# Altium PCB dac_brd_raton_v0.PcbDoc (part 2 of 3)
Units mm, origin at the board's own origin, x right, y up, seen from the top; angles counter-clockwise.
Board outline 145.29 x 217.93 mm, 2 copper layers (Top Layer, Bottom Layer); 316 components, 149 nets, 804 pads, 301 vias.
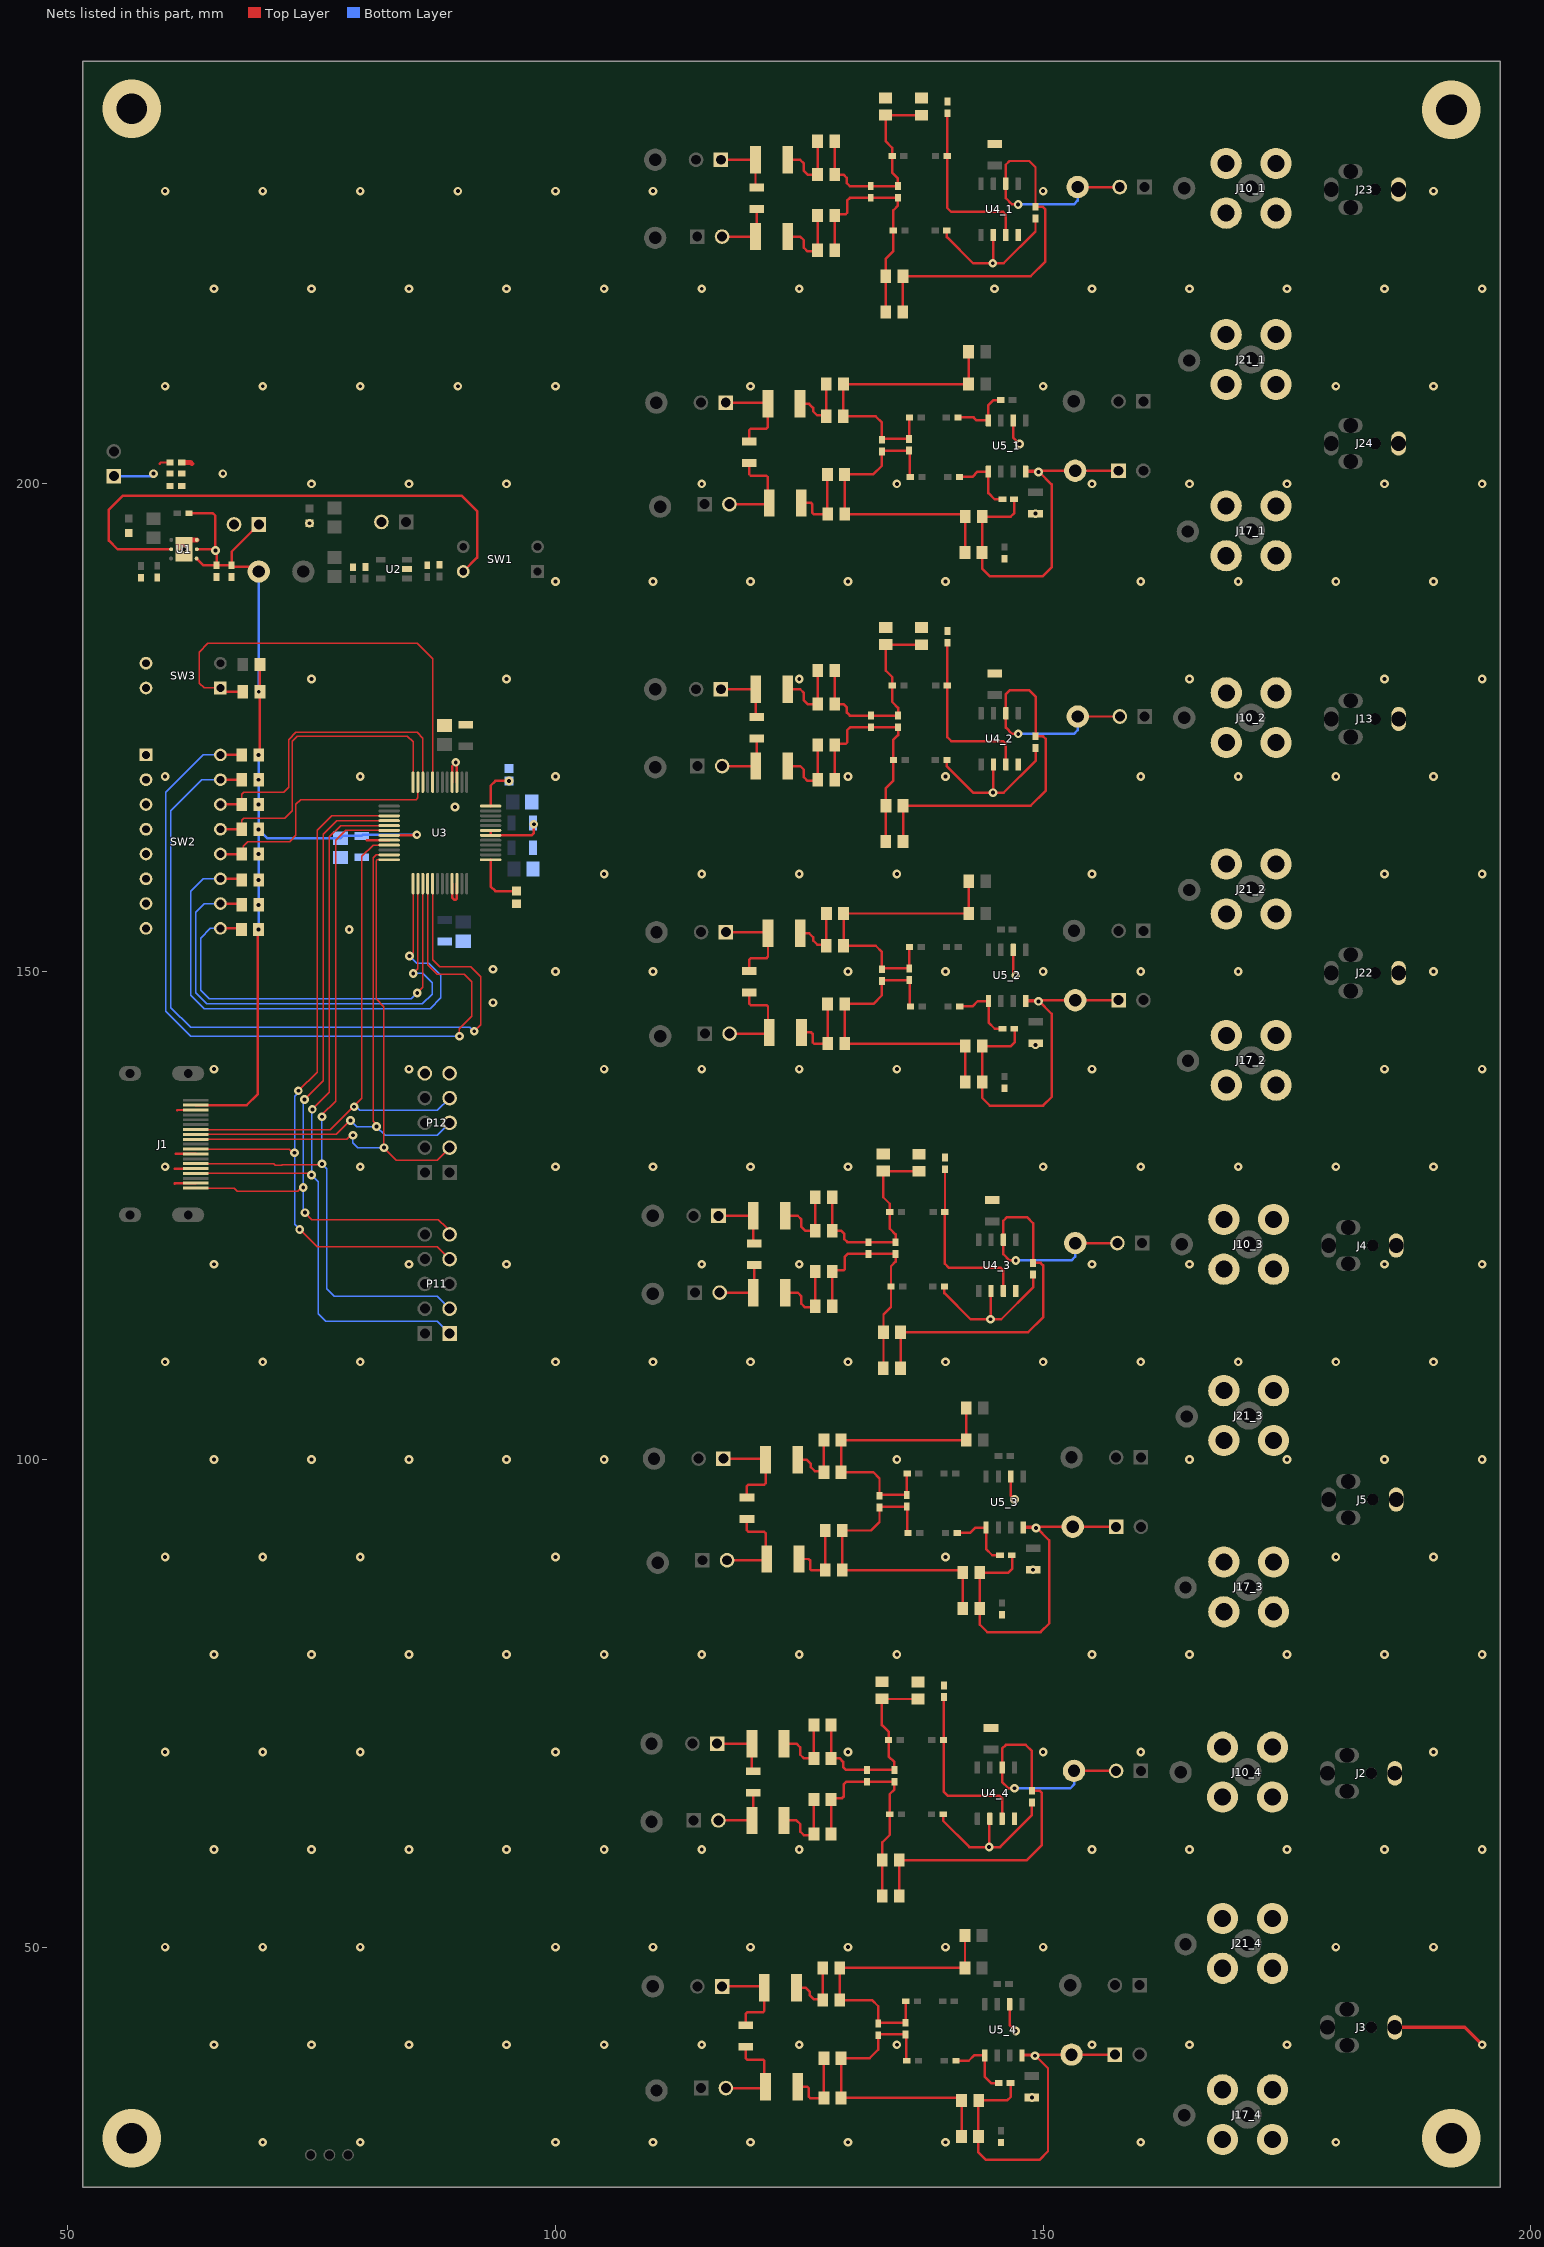
[diagram p2: the nets of this part, all layers, seen from the top]

## Part data
C1 C2 C3: library part "CAP 10uF CER 0402 6.3V X5R 20%-2", "CAP-10uF-CER-0402-6.3V-X5R-20%", Case/Package=0402, Manufacturer=Generic, Supplier Part Number 1=80-C0402C106M9P, Bin=F1-C2-10, Design Item ID="CAP 10uF CER 0402 6.3V X5R 20%", Source="Capacitor Library.SchLib", Supplier 1=Mouser, Type=SMD
C4 C6 C8: library part "CAP 0.1uF CER 0402 16V X5R 10%-2", "CAP-0.1uF-CER-0402-16V-X5R-10%", Case/Package=0402, Manufacturer=Generic, Supplier Part Number 1=810-CGA2B2X5R1C104KA, Bin=CAP1-M1, Design Item ID="CAP 0.1uF CER 0402 16V X5R 10%", Source="Capacitor Library.SchLib", Status=Active, Supplier 1=Mouser, Type=SMD
C5 C7: library part "CAP 2.2uF CER 0402 25V X5R 10%-2", "CAP-2.2uF-CER-0402-25V-X5R-10%", Case/Package=0402, Manufacturer=Generic, Supplier Part Number 1=810-C1005X5R1E225K, Bin=F1-C1-9, Design Item ID="CAP 2.2uF CER 0402 25V X5R 10%", Source="Capacitor Library.SchLib", Status=Active, Supplier 1=Mouser, Type=SMD
C9 C10 C15 C18 C19: library part "CAP 10nF CER 0805 50V X7R 10%-2", "CAP-10nF-CER-0805-50V-X7R-10%", Case/Package=0805, Manufacturer=Generic, Supplier Part Number 1=81-GRM40X103K50D, Bin=F1-C8-4, Design Item ID="CAP 10nF CER 0805 50V X7R 10%", Source="Capacitor Library.SchLib", Supplier 1=Mouser, Type=SMD
C11 C12 C16 C17 C20: library part "CAP 1uF CER 0805 50V X7R 10%-2", "CAP-1uF-CER-0805-50V-X7R-10%", Case/Package=0805, Manufacturer=Generic, Supplier Part Number 1=963-UMK212B7105KG-T, Bin=F1-C1-05, Design Item ID="CAP 1uF CER 0805 50V X7R 10%", Source="Capacitor Library.SchLib", Status=Active, Supplier 1=Mouser, Type=SMD
C13 C14: library part "CAP 100nF CER 0603 50V X7R 5%-2", "CAP-100nF-CER-0603-50V-X7R-5%", Case/Package=0603, Manufacturer=Generic, Supplier Part Number 1=581-06035C104JAT2A, Bin=F1-CM2-1, Design Item ID="CAP 100nF CER 0603 50V X7R 5%", Source="Capacitor Library.SchLib", Status=Active, Supplier 1=Mouser, Type=SMD
C21_1 C21_2 C21_3 C21_4 C25_1 C25_2 C25_3 C25_4 C26_1 C26_2 C26_3 C26_4 C28_1 C28_2 C28_3 C28_4 C29_1 C29_2 C29_3 C29_4 C33_1 C33_2 C33_3 C33_4 C34_1 C34_2 C34_3 C34_4 C36_1 C36_2 C36_3 C36_4: library part "CAP 1nF CER 0402 50V X5R 10%-2", "CAP-1nF-CER-0402-50V-X5R-10%", Case/Package=0402, Manufacturer=Generic, Supplier Part Number 1=81-GRM155R61H102KA1D, Bin=N, Design Item ID="CAP 1nF CER 0402 50V X5R 10%", Source="Capacitor Library.SchLib", Status=Active, Supplier 1=Mouser, Type=SMD
C22_1 C22_2 C22_3 C22_4 C27_1 C27_2 C27_3 C27_4 C30_1 C30_2 C30_3 C30_4 C35_1 C35_2 C35_3 C35_4: library part "CAP 100uF CER 1210 16V X5R 20%-2", "CAP-100uF-CER-1210-16V-X5R-20%", Case/Package=1210, Manufacturer=Generic, Supplier Part Number 1=587-3152-6-ND, Bin="F1-C5-1 / F1-C2-8", Design Item ID="CAP 100uF CER 1210 16V X5R 20%", Source="Capacitor Library.SchLib", Status=Active, Supplier 1=Digi-Key, Type=SMD
C23_1 C23_2 C23_3 C23_4 C31_1 C31_2 C31_3 C31_4: library part "CAP 0.1uF CER 0805 50V  X7R 5%-2", "CAP-0.1uF-CER-0805-50V- X7R-5%", Case/Package=0805, Manufacturer=Generic, Supplier Part Number 1=80-C0805C104J3R, Bin=F1-C6-4, Datasheet=http://www.kemet.com/Lists/ProductCatalog/Attachments/53/KEM_C1002_X7R_SMD.pdf, Design Item ID="CAP 0.1uF CER 0805 50V  X7R 5%", Source="Capacitor Library.SchLib", Status=Active, Supplier 1=Mouser, Type=SMD
C24_1 C24_2 C24_3 C24_4 C32_1 C32_2 C32_3 C32_4: library part "CAP 22pF CER 0805 50V C0G 2%-2", Case/Package=0805, Manufacturer=Generic, Supplier Part Number 1=77-VJ0805A220GXACBC, Design Item ID="CAP 22pF CER 0805 50V C0G 2%", Source="Capacitor Library.SchLib", Supplier 1=Mouser, Type=SMD
J1: library part 2086581051-2, "CONN FEM SMD 19 90Deg HDMI", Case/Package="4 PIN", Manufacturer=Molex, Supplier Part Number 1=Mouser, Design Item ID=2086581051, Source="Connector Library.SchLib", Status=Active, Supplier 1=Mouser, Type=HYBRID
J2 J3 J4 J5 J13 J22 J23 J24: library part SJ1-2503A-1, "CONN JACK STEREO 2.5MM R/A", Color=Black, Current Rating=1A, Body Material=Brass, Connector Type=Jack, Contact Plating=Tin, Diameter=2.5mm, Gender=Female, Lead Free="Lead Free", Mount="Through Hole", Number of Conductors=3, Number of Ports=1, Orientation=Horizontal, Packaging=Bulk, Shielding=Unshielded, Termination=Solder
J6 J7 J8_1 J8_2 J8_3 J8_4 J9_1 J9_2 J9_3 J9_4 J11_1 J11_2 J11_3 J11_4 J12_1 J12_2 J12_3 J12_4 J14_1 J14_2 J14_3 J14_4 J15_1 J15_2 J15_3 J15_4 J16_1 J16_2 J16_3 J16_4 J18_1 J18_2 J18_3 J18_4 J19_1 J19_2 J19_3 J19_4 J20_1 J20_2 J20_3 J20_4: library part CMP-002-00000-2, "PCB-Probe-Ring", Color=Black
J10_1 J10_2 J10_3 J10_4 J17_1 J17_2 J17_3 J17_4 J21_1 J21_2 J21_3 J21_4: library part CMP-002-00001-2, Case/Package=SMA, Manufacturer=LPRS, Max Frequency=6GHz, Connector Type=SMA,Coaxial, Contact Material=Gold, Contact Plating=Gold, Impedance=50R, REACH SVHC="No SVHC", Supplier=Mouser, Supplier No=471-SMACONNECTOR
J25 J26 J27: library part "1PIN Debug-2", "CONN MAL TH 1 0Deg HEADER", Case/Package="1 PIN", Design Item ID="1PIN Debug", Source="Connector Library.SchLib", Status=NC, Type=N/A
LED1 LED2: library part "LED 0603 Green 20mA 1.8V-1", "LED-0603-Green-20mA-1.8V-STOCK", Case/Package=0603, Manufacturer=Generic, Supplier Part Number 1=645-598-8060-107F, Bin=F2-DM1-1, Design Item ID="LED 0603 Green 20mA 1.8V", Source="Diode Library.SchLib", Status=Active, Supplier 1=Mouser, Type=SMD
P1 P2 P3 P4_1 P4_2 P4_3 P4_4 P5_1 P5_2 P5_3 P5_4 P6_1 P6_2 P6_3 P6_4 P7_1 P7_2 P7_3 P7_4 P8_1 P8_2 P8_3 P8_4 P9_1 P9_2 P9_3 P9_4 P10_1 P10_2 P10_3 P10_4: library part "GENERIC 2PIN HEADER MALE-2", "CONN MAL TH 2 0Deg HEADER", Case/Package="n/a PIN", Manufacturer=Generic, Bin=B3-J5, Design Item ID="GENERIC 2PIN HEADER MALE", Source="Connector Library.SchLib", Status=Active, Type=TH
P11 P12: library part "GENERIC 5x2 PINS HEADER MALE-2", "CONN MAL TH 5x2 0Deg HEADER", Case/Package="2 PIN", Manufacturer=Generic, Bin=B3-J5, Design Item ID="GENERIC 5x2 PINS HEADER MALE", Source="Connector Library.SchLib", Status=Active, Type=TH
R1: library part "RES 10k 0402 63mW 5%-1", "RES-10k-0402-63mW-5%", Case/Package=0402, Manufacturer=Generic, Bin=F1-R7-9, Design Item ID="RES 10k 0402 63mW 5%", MAPPING=1(2,1,11.5k), Source="Resistor Library.SchLib", Status=Active, Type=SMD
R2 R3 R4: library part "RES 100 0805 125mW 1%-1", "RES-100-0805-125mW-1%", Case/Package=0805, Manufacturer=Generic, Bin=F1-R11-6, Design Item ID="RES 100 0805 125mW 1%", MAPPING=1(2,1,10k), Source="Resistor Library.SchLib", Status=Active, Type=SMD
R5 R6 R7 R8 R9 R10 R11 R12 R13 R14 R15_1 R15_2 R15_3 R15_4 R16_1 R16_2 R16_3 R16_4 R17_1 R17_2 R17_3 R17_4 R20_1 R20_2 R20_3 R20_4 R21_1 R21_2 R21_3 R21_4 R24_1 R24_2 R24_3 R24_4 R25_1 R25_2 R25_3 R25_4 R26_1 R26_2 R26_3 R26_4 R27_1 R27_2 R27_3 R27_4 R28_1 R28_2 R28_3 R28_4 R29_1 R29_2 R29_3 R29_4 R32_1 R32_2 R32_3 R32_4 R34_1 R34_2 R34_3 R34_4 R37_1 R37_2 R37_3 R37_4 R38_1 R38_2 R38_3 R38_4 R39_1 R39_2 R39_3 R39_4: library part "RES 10k 0805 125mW 1%-1", "RES-10k-0805-125mW-1%", Case/Package=0805, Manufacturer=Generic, Bin=F1-R12-10, Design Item ID="RES 10k 0805 125mW 1%", MAPPING=1(2,1,10k), Source="Resistor Library.SchLib", Status=Active, Type=SMD
R18_1 R18_2 R18_3 R18_4 R19_1 R19_2 R19_3 R19_4 R22_1 R22_2 R22_3 R22_4 R23_1 R23_2 R23_3 R23_4 R30_1 R30_2 R30_3 R30_4 R31_1 R31_2 R31_3 R31_4 R35_1 R35_2 R35_3 R35_4 R36_1 R36_2 R36_3 R36_4: library part "RES 1.5k 0402 63mW 5%-1", "RES-1.5k-0402-63mW-5%", Case/Package=0402, Manufacturer=Generic, Bin=F1-RM1-1, Design Item ID="RES 1.5k 0402 63mW 5%", MAPPING=1(2,1,11.5k), Source="Resistor Library.SchLib", Status=Active, Type=SMD
R33_1 R33_2 R33_3 R33_4 R40 R41 R42: library part "RES 0 0402 63mW-1", "RES-0-0402-63mW-5%", Case/Package=0402, Manufacturer=Generic, Bin=F1-RM1-5, Design Item ID="RES 0 0402 63mW", MAPPING=1(2,1,11.5k), Source="Resistor Library.SchLib", Status=Active, Type=SMD
SW1 SW3: library part CMP-01293-3, "SWITCH DIP SPST 2 100mA 50V", Current Rating=100mA, Max Operating Temperature=85°C, Min Operating Temperature=-40°C, Package Quantity=85, Voltage Rating (DC)=20V, Actuator Type="Slide (Standard)", Contact Material=Copper, Contact Plating=Gold,Tin, Electrical Life=1000Cycles, Lead Free="Lead Free", Length=0.258inch, Max Current Rating=100mA, Mount="Through Hole", Number of Positions=2, Orientation=Straight, Packaging=Rail/Tube, Pitch=0.1inch, Terminal Pitch=2.54mm, Termination="PC Pin", Throw Configuration=SPST, Washable=No
SW2: library part 210-8MS-2, "SWITCH DIP SMD SPST 8 100mA 50V", Case/Package="16 PDIP", Manufacturer="C&K Components", Supplier Part Number 1=774-2108MS, Design Item ID=210-8MS, Source="Switches Library.SchLib", Status=Active, Supplier 1=Mouser, Type=TH
U1: library part CMP-01296-3, "STMICROELECTRONICS - LD39200PU33R - LDO, FIXED, 3.3V, 2A, -40 TO 125DEG C", Case/Package="6-pin DFN", Manufacturer=STMicroelectronics, Supplier Part Number1=NR, Bin=NR, Status=NR, Supplier1=NR, Type=SMD
U2: library part CMP-01298-1, "MICROCHIP - MIC5225-5.0YM5-TR - Fixed LDO Voltage Regulator, 2.3V to 16V, 310mV Dropout, 5Vout, 150mAout, SOT-23-5", Case/Package=SOT-23-5, Dropout Voltage=310mV, Max Input Voltage=16V, Max Operating Temperature=125°C, Min Input Voltage=2.3V, Min Operating Temperature=-40°C, Nominal Output Voltage=5V, Output Current=150mA, Lead Free="Lead Free", Mount="Surface Mount", Number of Pins=5, Number of Regulators=1, Output Type=Fixed, Output Voltage=5V, Packaging="Cut Tape", REACH SVHC="No SVHC"
U3: library part CMP-019-00003-1, "Converters - Digital to Analog (DAC) High-End 24-Bit 192kHz, 4-Ch D-S DAC", Case/Package=TQFP, Max Operating Temperature=70°C, Max Power Dissipation=286mW, Max Supply Voltage=5.25V, Min Operating Temperature=-10°C, Min Supply Voltage=4.75V, Nominal Supply Current=32mA, Operating Supply Voltage=5V, Package Quantity=2000, Power Consumption=200mW, Contact Plating=Gold, Conversion Rate=216KS/s, Interface=Serial,SPI, Lead Free="Lead Free", Mount="Surface Mount", Number of Analog Inputs=0, Number of Analog Outputs=4, Number of Bits=24, Number of Channels=4, Number of Converters=4, Number of DAC Channels=4, Number of Pins=48, Output Type=Voltage, Packaging="Tape and Reel", Polarity=Bipolar, Radiation Hardening=No, REACH SVHC="No SVHC", Resolution=24b, Sampling Rate=216000S/s, Signal to Noise Ratio (SNR)=118dB, Supply Type=Analog,Digital, Weight=0.004938oz
U4_1 U4_2 U4_3 U4_4: library part CMP-019-00001-1, "IC OPAMP GP 8MHZ 8SOIC", Case/Package=D, Input Bias Current=10nA, Input Offset Voltage (Vos)=200uV, Max Dual Supply Voltage=18V, Max Operating Temperature=85°C, Min Dual Supply Voltage=2.5V, Min Operating Temperature=-40°C, Nominal Supply Current=3.8mA, Operating Supply Current=3.7mA, Output Current=45mA, Package Quantity=2500, Power Supply Rejection Ratio (PSRR)=126.02dB, Voltage Gain=160dB, Bandwidth=8MHz, Common Mode Rejection Ratio=120dB, Contact Plating=Gold, Gain Bandwidth Product=8MHz, Lead Free="Lead Free", Max I/O Voltage=200uV, Max Supply Voltage=18V, Nominal Gain Bandwidth Product=8MHz, Number of Channels=1, Number of Circuits=1, Number of Elements=1, Number of Pins=8, Output Current per Channel=45mA, Packaging="Tape and Reel", Radiation Hardening=No, Slew Rate=2.3V/µs, Unity Gain Bandwidth Product=8MHz
U5_1 U5_2 U5_3 U5_4: library part CMP-019-00002-1, "IC OPAMP AUDIO 180MHZ 8SOIC", Case/Package=D, Dual Supply Voltage=15V, Input Bias Current=2uA, Input Offset Voltage (Vos)=3mV, Max Dual Supply Voltage=16V, Max Operating Temperature=85°C, Max Power Dissipation=2W, Max Supply Voltage=32V, Min Dual Supply Voltage=2.5V, Min Operating Temperature=-40°C, Min Supply Voltage=5V, Nominal Supply Current=14mA, Output Current=85mA, Package Quantity=2500, Power Supply Rejection Ratio (PSRR)=70dB, Voltage Gain=78dB, -3db Bandwidth=180MHz, Bandwidth=180MHz, Common Mode Rejection Ratio=74dB, Contact Plating=Gold, Gain=78dB, Gain Bandwidth Product=180MHz, Lead Free="Lead Free", Nominal Gain Bandwidth Product=180MHz, Number of Channels=1, Number of Circuits=1, Number of Elements=1, Number of Pins=8, Operating Supply Current=14mA, Output Current per Channel=85mA, Packaging="Tape and Reel", Radiation Hardening=No, Slew Rate=50V/µs, Supply Type=Single,Dual, Weight=0.002677oz

## Via types
v1: diameter 0.9, hole 0.4, Top Layer to Bottom Layer, tented both sides, 287 vias
v2: diameter 0.9, hole 0.4, Top Layer to Bottom Layer, 10 vias
v3: diameter 6, hole 3.15, Top Layer to Bottom Layer, 4 vias

## Nets (pads, with @x,y where several pads share a name; then routed paths per layer and width w, separated by ;. In a path a pad name is that pad's centre, name@x,y a point inside that pad or via, vN(x,y) a via of type N, cw(c..) or ccw(c..) an arc to the next point about the centre after c; other vN are vias at no path point)
3V3: C2.1 C3.1 C19.1 C20.1 J1.18 J7.1 P3.1 R1.2 R5.2 R6.2 R7.2 R8.2 R9.2 R10.2 R11.2 R12.2 R13.2 R14.2 U1.1 U1.2 U3.19 | length 104.8
  Top Layer w0.254: R1.2@62.449,196.977 62.576,196.977 64.897,196.977 65.151,196.723 65.151,193.421 v1@65.024,193.294 ; J1.18@63.119,136.31 68.365,136.31 69.469,137.414 69.469,154.206 v1(69.559,154.296) R5.2@69.568,154.305 ; U1.1@63.225,192.344 63.926,191.643 C2.1@65.278,191.643 ; U1.2@63.246,193.294 v1@65.024,193.294 ; J7.1@69.596,191.008 69.046,191.008 68.538,191.516 66.929,191.516 C3.1@66.802,191.643 ; P3.1@69.596,195.834 66.802,193.04 C3.1@66.802,191.643 ; R14.2@69.709,172.325 R6.2@69.709,178.689 R8.2@69.709,181.483 ; U3.19@82.958,163.968 85.736,163.968 v1(85.794,164.026) ; v1@65.024,193.294 65.278,193.04 C2.1@65.278,191.643 ; C2.1@65.278,191.643 C3.1@66.802,191.643
  Bottom Layer w0.254: v1(69.559,154.296) 69.573,154.31 69.573,156.822 v1(69.587,156.836) v1(69.587,159.376) v1(69.587,162.043) v1(69.587,164.583) ; v1(69.587,172.203) v1(69.587,169.663) v1(69.587,167.123) v1(69.587,164.583) ; v1(69.596,178.689) J7.1@69.596,191.008 ; v1(85.794,164.026) 80.249,164.026 C19.1@80.137,163.914 78.23,163.914 C20.1@77.978,163.662 70.508,163.662 v1(69.587,164.583)
  other v1: 65.151,193.167
3V3_EN: SW1.4 U1.5 | length 55.4
  Top Layer w0.254: 60.375,193.294 55.118,193.294 54.229,194.183 54.229,197.358 55.626,198.755 90.424,198.755 91.971,197.208 91.971,192.428 SW1.4@90.551,191.008
AGND: C5.2 C6.2 C7.2 C8.2 C9.2 C10.2 C11.2 C12.2 C13.2 C14.2 C15.2 C16.2 C17.2 C18.2 C23_1.2 C23_2.2 C23_3.2 C23_4.2 C28_1.2 C28_2.2 C28_3.2 C28_4.2 C31_1.2 C31_2.2 C31_3.2 C31_4.2 J2.1 J3.1 J4.1 J5.1 J10_1.1 J10_2.1 J10_3.1 J10_4.1 J13.1 J17_1.1 J17_2.1 J17_3.1 J17_4.1 J21_1.1 J21_2.1 J21_3.1 J21_4.1 J22.1 J23.1 J24.1 LED2.1 P1.1 P2.2 R25_1.1 R25_2.1 R25_3.1 R25_4.1 R26_1.1 R26_2.1 R26_3.1 R26_4.1 R33_1.1 R33_2.1 R33_3.1 R33_4.1 R40.1 R41.1 R42.1 U2.2 U3.3 U3.4 U3.33 U3.34 U3.42 U3.43 U4_1.4 U4_2.4 U4_3.4 U4_4.4 U5_1.6 U5_2.6 U5_3.6 U5_4.6 | length 39.2
  Top Layer w0.254: 59.436,202.057 59.563,202.184 R42.1@60.487,202.184 ; U3.33@89.408,159.018 89.408,157.607 89.662,157.353 89.759,157.353 89.908,157.502 U3.34@89.908,159.018 ; U3.4@89.408,169.418 89.408,171.069 ; v1(89.789,171.45) 89.899,171.34 89.899,169.427 U3.3@89.908,169.418 ; U3.43@93.358,164.468 U3.42@93.358,163.968 97.536,163.968 97.79,164.222 v1(97.79,165.1) ; U5_4.6@146.558,44.154 146.558,42.037 v1(147.193,41.402) ; U5_3.6@146.685,98.256 146.685,96.266 v1(147.066,95.885) ; U5_1.6@146.926,206.504 146.926,204.737 v1(147.574,204.089) ; U5_2.6@146.939,152.231 146.939,149.86 v1(147.193,149.606)
  Top Layer w0.381: J3.1@186.055,41.783 193.217,41.783 v1(195,40)
  Bottom Layer w0.254: P1.1@54.737,200.787 58.547,200.787 v1(58.801,201.041)
  other v1: 100,30 110,30 120,30 130,30 140,30 160,30 180,30 148.844,34.587 95,40 105,40 115,40 125,40 135,40 155,40 165,40 175,40 100,50 110,50 120,50 130,50 140,50 150,50 180,50 190,50 95,60 105,60 115,60 125,60 155,60 165,60 175,60 185,60 195,60 100,70 130,70 150,70 160,70 190,70 95,80 105,80 115,80 125,80 135,80 155,80 165,80 175,80 185,80 195,80 148.971,88.689 100,90 140,90 180,90 190,90 95,100 105,100 135,100 165,100 175,100 185,100 195,100 100,110 110,110 120,110 130,110 140,110 150,110 160,110 170,110 180,110 190,110 95,120 115,120 125,120 155,120 165,120 185,120 195,120 100,130 110,130 120,130 130,130 150,130 160,130 170,130 180,130 190,130 105,140 115,140 125,140 135,140 155,140 185,140 195,140 149.225,142.494 93.599,146.812 100,150 110,150 130,150 140,150 150,150 160,150 170,150 190,150 93.599,150.241 105,160 115,160 125,160 135,160 155,160 185,160 195,160 89.707,166.875 100,170 130,170 140,170 160,170 170,170 180,170 190,170 95,180 125,180 165,180 185,180 195,180 100,190 110,190 120,190 130,190 140,190 160,190 170,190 180,190 190,190 74.803,195.961 149.212,196.937 75,200 85,200 95,200 115,200 135,200 155,200 165,200 175,200 185,200 195,200 60,210 70,210 80,210 90,210 100,210 120,210 150,210 180,210 190,210 65,220 75,220 85,220 95,220 105,220 115,220 125,220 145,220 155,220 165,220 175,220 185,220 195,220 60,230 70,230 80,230 90,230 100,230 110,230 150,230 190,230
  other v3: 191.85,30.4 191.85,238.332 56.562,238.459
BCK: J1.9 P11.7 U3.15 | length 77
  Top Layer w0.152: J1.9@63.119,131.81 72.693,131.81 73.068,131.436 v1(73.27,131.436) ; v1@73.66,137.795 75.565,139.7 75.565,164.465 77.068,165.968 U3.15@82.958,165.968 ; v1(73.787,123.571) 75.565,121.793 87.884,121.793 P11.7@89.154,120.523
  Bottom Layer w0.152: v1(73.27,131.436) 73.27,124.088 v1(73.787,123.571) ; v1@73.279,131.445 73.279,137.212 73.651,137.584 v1(73.651,137.786)
CS': J1.13 P12.7 U3.21 | length 56.9
  Top Layer w0.152: J1.13@63.119,133.81 76.914,133.81 79.311,136.207 80.137,137.033 80.137,161.798 81.307,162.968 U3.21@82.958,162.968
  Bottom Layer w0.152: v1(79.375,136.144) 79.577,136.144 79.958,135.763 87.884,135.763 P12.7@89.154,137.033
DATA0: J1.4 P11.1 U3.17 | length 82.8
  Top Layer w0.152: J1.4@63.137,129.292 J1.4@63.119,129.31 74.639,129.31 74.789,129.16 v1(74.992,129.16) v1@74.974,129.178 ; v1@75.093,135.889 76.835,137.631 76.835,163.83 77.973,164.968 U3.17@82.958,164.968
  Bottom Layer w0.152: v1(74.992,129.16) 75.692,128.46 75.692,114.935 76.454,114.173 87.884,114.173 P11.1@89.154,112.903 ; v1@75.001,129.169 75.001,135.796 v1(75.084,135.88)
DATA1: J1.6 P11.3 U3.18 | length 79.2
  Top Layer w0.152: J1.6@63.119,130.31 71.133,130.31 71.296,130.148 71.942,130.148 72.01,130.216 75.987,130.216 v1(76.064,130.293) ; v1(76.064,135.119) 76.064,135.319 77.47,136.725 77.47,163.449 78.489,164.468 U3.18@82.958,164.468
  Bottom Layer w0.152: v1(76.064,135.119) v1(76.064,130.293) 76.581,129.776 76.581,117.475 77.343,116.713 87.884,116.713 P11.3@89.154,115.443
DEM0: R11.1 SW2.13 U3.12 | length 32.8
  Top Layer w0.152: R11.1@67.846,164.592 67.846,165.509 68.072,165.735 72.263,165.735 73.025,166.497 73.025,173.609 73.533,174.117 84.836,174.117 85.408,173.545 U3.12@85.408,169.418
  Top Layer w0.254: SW2.13@65.659,164.592 R11.1@67.846,164.592
DEM1: R10.1 SW2.12 U3.11 | length 26.5
  Top Layer w0.152: R10.1@67.846,162.052 67.997,162.203 67.997,162.866 68.453,163.322 72.771,163.322 73.406,163.957 73.406,167.132 73.914,167.64 85.725,167.64 85.908,167.823 U3.11@85.908,169.418
  Top Layer w0.254: SW2.12@65.659,162.052 R10.1@67.846,162.052
DGND: C1.2 C2.2 C3.2 C4.2 C19.2 C20.2 J1.2 J1.5 J1.8 J1.17 LED1.1 P3.2 P12.9 P12.10 R40.2 R41.2 R42.2 SW2.1 SW2.2 SW2.3 SW2.4 SW2.5 SW2.6 SW2.7 SW2.8 SW3.3 SW3.4 U1.3 U1.7 U3.20 | length 13.6
  Top Layer w0.25: 60.96,128.27 61,128.31 J1.2@63.119,128.31 ; 60.96,129.794 60.976,129.81 J1.5@63.119,129.81 ; 61.087,131.318 61.095,131.31 J1.8@63.119,131.31 ; 61.214,135.763 61.261,135.81 J1.17@63.119,135.81 ; 80.645,163.449 80.664,163.468 U3.20@82.958,163.468
  Top Layer w0.508: R42.2@61.687,202.184 62.611,202.184 62.738,202.057 ; v1(61.925,193.294) 61.925,193.623 62.546,194.244 U1.3@63.246,194.244
  other v1: 70,30 80,30 75,40 85,40 60,50 70,50 80,50 65,60 75,60 85,60 60,70 70,70 80,70 65,80 75,80 85,80 60,90 70,90 80,90 65,100 75,100 85,100 60,110 70,110 80,110 65,120 85,120 80,130 78.867,154.305 80,170 75,180 65.913,201.041
  other v2: 65,40 60,130 65,140 85,140 60,170
  other v3: 56.562,30.4
FMT0: R9.1 SW2.11 U3.25 | length 57.1
  Top Layer w0.152: v1(85.049,151.597) 85.408,151.956 U3.25@85.408,159.018
  Top Layer w0.254: SW2.11@65.659,159.512 67.719,159.512 R9.1@67.846,159.385
  Bottom Layer w0.152: SW2.11@65.659,159.512 63.881,159.512 62.611,158.242 62.611,147.574 63.805,146.38 64.008,146.177 87.147,146.177 88.265,147.295 88.265,149.606 86.995,150.876 85.771,150.876 v1(85.049,151.597)
FMT1: R7.1 SW2.10 U3.26 | length 51.5
  Top Layer w0.152: v1(85.426,149.815) 85.908,150.297 U3.26@85.908,159.018
  Top Layer w0.254: SW2.10@65.659,156.972 67.719,156.972 R7.1@67.846,156.845
  Bottom Layer w0.152: SW2.10@65.659,156.972 64.008,156.972 63.119,156.083 63.119,147.828 64.262,146.685 86.372,146.685 87.376,147.689 87.376,148.844 86.405,149.815 v1(85.426,149.815)
FMT2: R5.1 SW2.9 U3.27 | length 44.3
  Top Layer w0.152: v1@85.852,147.828 86.408,148.384 U3.27@86.408,159.018
  Top Layer w0.254: SW2.9@65.659,154.432 67.691,154.432 R5.1@67.818,154.305
  Bottom Layer w0.152: SW2.9@65.659,154.432 64.643,154.432 63.627,153.416 63.627,148.082 64.516,147.193 85.217,147.193 v1(85.843,147.819)
FS0: R14.1 SW2.16 U3.28 | length 82.7
  Top Layer w0.152: U3.28@86.908,159.018 86.908,150.709 87.884,149.733 90.678,149.733 91.44,148.971 91.44,145.415 90.17,144.145 v1@90.17,143.383
  Top Layer w0.254: SW2.16@65.659,172.212 R14.1@67.846,172.212
  Bottom Layer w0.152: SW2.16@65.659,172.212 63.881,172.212 60.071,168.402 60.071,145.923 62.611,143.383 90.152,143.383 v1(90.161,143.374)
FS1: R13.1 SW2.15 U3.29 | length 80.2
  Top Layer w0.152: U3.29@87.408,159.018 87.408,151.225 88.138,150.495 91.313,150.495 92.329,149.479 92.329,144.526 v1@91.694,143.891
  Top Layer w0.254: SW2.15@65.659,169.672 R13.1@67.846,169.672
  Bottom Layer w0.152: SW2.15@65.659,169.672 63.754,169.672 60.579,166.497 60.579,146.304 62.611,144.272 91.242,144.272 91.632,143.882 v1(91.685,143.882)
LRCK: J1.1 P11.9 U3.16 | length 74.6
  Top Layer w0.152: J1.1@63.119,127.81 67.069,127.81 67.371,127.508 73.585,127.508 73.957,127.88 v1(74.159,127.88) ; v1(74.286,136.897) 76.2,138.811 76.2,164.084 77.584,165.468 U3.16@82.958,165.468 ; v1(74.345,125.29) 75.048,124.587 88.011,124.587 88.805,123.793 88.805,123.777 89.154,123.428 P11.9@89.154,123.063
  Bottom Layer w0.152: v1(74.159,127.88) 74.159,125.485 v1@74.549,125.095 ; v1@74.168,127.88 74.168,136.779 v1(74.286,136.897)
MISO: J1.11 P12.3 U3.24 | length 59.4
  Top Layer w0.152: J1.11@63.119,132.81 78.633,132.81 79.046,133.223 v1(79.248,133.223) ; U3.24@82.958,161.468 81.712,161.468 81.623,161.379 81.623,147.197 82.423,146.397 v1(82.423,131.953) 83.693,130.683 87.884,130.683 P12.3@89.154,131.953
  Bottom Layer w0.152: v1(79.248,133.223) 79.248,132.461 79.756,131.953 v1(82.423,131.953)
MODE: R6.1 SW3.1 U3.8 | length 45.6
  Top Layer w0.152: SW3.1@65.659,179.07 64.008,179.07 63.5,179.578 63.5,182.753 64.389,183.642 85.852,183.642 87.408,182.086 U3.8@87.408,169.418
  Top Layer w0.254: SW3.1@65.659,179.07 66.04,178.689 R6.1@67.959,178.689
MOSI: J1.12 P12.5 U3.23 | length 57.2
  Top Layer w0.152: J1.12@63.119,133.31 77.557,133.31 v1(78.994,134.747) ; v1(81.661,134.112) 81.661,134.314 81.318,134.657 81.318,161.657 81.629,161.968 U3.23@82.958,161.968
  Bottom Layer w0.152: v1(78.994,134.747) 79.629,134.112 v1(81.661,134.112) 82.55,133.223 87.884,133.223 P12.5@89.154,134.493
MUTE: R12.1 SW2.14 U3.10 | length 32
  Top Layer w0.152: R12.1@67.846,167.132 67.846,168.176 68.072,168.402 72.136,168.402 72.644,168.91 72.644,173.774 73.389,174.519 85.831,174.519 86.408,173.942 U3.10@86.408,169.418
  Top Layer w0.254: SW2.14@65.659,167.132 R12.1@67.846,167.132
NetC13_1: C13.1 U3.48 | length 4.2
  Top Layer w0.254: U3.48@93.358,166.968 93.358,169.05 93.853,169.545 v1(95.25,169.545)
NetC14_1: C14.1 U3.37 | length 5.6
  Top Layer w0.254: U3.37@93.358,161.468 93.358,158.737 93.853,158.242 95.997,158.242 C14.1@96.012,158.257
NetC21_1_1: C21_1.1 R19_1.2 U4_1.2 | length 16.5
  Top Layer w0.254: R19_1.2@140.125,225.977 140.125,225.296 142.81,222.612 v2(144.831,222.612) ; U4_1.2@144.894,225.511 144.863,225.48 144.863,222.644 v2(144.831,222.612) ; C21_1.1@149.212,227.19 149.212,225.88 145.945,222.612 v2(144.831,222.612)
NetC21_1_2: C21_1.2 J11_1.1 P5_1.2 R15_1.2 R16_1.2 U4_1.6 | length 49.8
  Top Layer w0.254: R16_1.2@135.609,217.595 135.623,217.609 R15_1.2@135.623,221.278 148.704,221.278 150.228,222.802 150.228,228.136 149.974,228.39 C21_1.2@149.212,228.39 149.212,232.454 148.577,233.089 146.545,233.089 146.164,232.708 U4_1.6@146.164,230.761 146.164,229.279 146.799,228.644 v2(147.434,228.644) ; J11_1.1@153.53,230.422 P5_1.2@157.848,230.422
  Bottom Layer w0.254: v2(147.434,228.644) 153.149,228.644 153.53,229.025 J11_1.1@153.53,230.422
NetC21_2_1: C21_2.1 R19_2.2 U4_2.2 | length 16.5
  Top Layer w0.254: R19_2.2@140.138,171.704 140.138,171.023 142.823,168.338 v1(144.844,168.338) ; U4_2.2@144.907,171.238 144.875,171.206 144.875,168.37 v1(144.844,168.338) ; C21_2.1@149.225,172.917 149.225,171.606 145.957,168.338 v1(144.844,168.338)
NetC21_2_2: C21_2.2 J11_2.1 P5_2.2 R15_2.2 R16_2.2 U4_2.6 | length 49.8
  Top Layer w0.254: R16_2.2@135.622,163.322 135.636,163.336 R15_2.2@135.636,167.005 148.717,167.005 150.241,168.529 150.241,173.863 149.987,174.117 C21_2.2@149.225,174.117 149.225,178.181 148.59,178.816 146.558,178.816 146.177,178.435 U4_2.6@146.177,176.488 146.177,175.006 146.812,174.371 v1(147.447,174.371) ; J11_2.1@153.543,176.149 P5_2.2@157.861,176.149
  Bottom Layer w0.254: v1(147.447,174.371) 153.162,174.371 153.543,174.752 J11_2.1@153.543,176.149
NetC21_3_1: C21_3.1 R19_3.2 U4_3.2 | length 16.5
  Top Layer w0.254: R19_3.2@139.884,117.729 139.884,117.048 142.569,114.364 v1(144.589,114.364) ; U4_3.2@144.653,117.263 144.621,117.231 144.621,114.395 v1(144.589,114.364) ; C21_3.1@148.971,118.942 148.971,117.631 145.703,114.364 v1(144.589,114.364)
NetC21_3_2: C21_3.2 J11_3.1 P5_3.2 R15_3.2 R16_3.2 U4_3.6 | length 49.8
  Top Layer w0.254: R16_3.2@135.368,109.347 135.382,109.361 R15_3.2@135.382,113.03 148.463,113.03 149.987,114.554 149.987,119.888 149.733,120.142 C21_3.2@148.971,120.142 148.971,124.206 148.336,124.841 146.304,124.841 145.923,124.46 U4_3.6@145.923,122.513 145.923,121.031 146.558,120.396 v1(147.193,120.396) ; J11_3.1@153.289,122.174 P5_3.2@157.607,122.174
  Bottom Layer w0.254: v1(147.193,120.396) 152.908,120.396 153.289,120.777 J11_3.1@153.289,122.174
NetC21_4_1: C21_4.1 R19_4.2 U4_4.2 | length 16.5
  Top Layer w0.254: R19_4.2@139.757,63.627 139.757,62.946 142.442,60.261 v1(144.463,60.261) ; U4_4.2@144.526,63.161 144.494,63.129 144.494,60.293 v1(144.463,60.261) ; C21_4.1@148.844,64.84 148.844,63.529 145.576,60.261 v1(144.463,60.261)
NetC21_4_2: C21_4.2 J11_4.1 P5_4.2 R15_4.2 R16_4.2 U4_4.6 | length 49.8
  Top Layer w0.254: R16_4.2@135.241,55.245 135.255,55.259 R15_4.2@135.255,58.928 148.336,58.928 149.86,60.452 149.86,65.786 149.606,66.04 C21_4.2@148.844,66.04 148.844,70.104 148.209,70.739 146.177,70.739 145.796,70.358 U4_4.6@145.796,68.411 145.796,66.929 146.431,66.294 v1(147.066,66.294) ; J11_4.1@153.162,68.072 P5_4.2@157.48,68.072
  Bottom Layer w0.254: v1(147.066,66.294) 152.781,66.294 153.162,66.675 J11_4.1@153.162,68.072
NetC22_1_1: C22_1.1 R17_1.1 R20_1.1 | length 7.7
  Top Layer w0.254: C22_1.1@123.811,225.342 125.082,225.342 125.463,224.961 125.463,224.199 125.844,223.818 R20_1.1@126.874,223.818 ; R20_1.1@126.874,223.945 R17_1.1@126.874,227.501
NetC22_1_2: C22_1.2 C24_1.1 P4_1.2 | length 6.3
  Top Layer w0.254: P4_1.2@117.081,225.342 C22_1.2@120.511,225.342 120.637,225.468 C24_1.1@120.637,228.179
NetC22_2_1: C22_2.1 R17_2.1 R20_2.1 | length 7.7
  Top Layer w0.254: C22_2.1@123.824,171.069 125.095,171.069 125.476,170.688 125.476,169.926 125.857,169.545 R20_2.1@126.887,169.545 ; R20_2.1@126.887,169.672 R17_2.1@126.887,173.228
NetC22_2_2: C22_2.2 C24_2.1 P4_2.2 | length 6.3
  Top Layer w0.254: P4_2.2@117.094,171.069 C22_2.2@120.524,171.069 120.65,171.195 C24_2.1@120.65,173.906
NetC22_3_1: C22_3.1 R17_3.1 R20_3.1 | length 7.7
  Top Layer w0.254: C22_3.1@123.57,117.094 124.841,117.094 125.222,116.713 125.222,115.951 125.603,115.57 R20_3.1@126.633,115.57 ; R20_3.1@126.633,115.697 R17_3.1@126.633,119.253
NetC22_3_2: C22_3.2 C24_3.1 P4_3.2 | length 6.3
  Top Layer w0.254: P4_3.2@116.84,117.094 C22_3.2@120.27,117.094 120.396,117.22 C24_3.1@120.396,119.931
NetC22_4_1: C22_4.1 R17_4.1 R20_4.1 | length 7.7
  Top Layer w0.254: C22_4.1@123.443,62.992 124.714,62.992 125.095,62.611 125.095,61.849 125.476,61.468 R20_4.1@126.506,61.468 ; R20_4.1@126.506,61.595 R17_4.1@126.506,65.151
NetC22_4_2: C22_4.2 C24_4.1 P4_4.2 | length 6.3
  Top Layer w0.254: P4_4.2@116.713,62.992 C22_4.2@120.143,62.992 120.269,63.118 C24_4.1@120.269,65.829
NetC24_1_2: C24_1.2 C27_1.2 P6_1.1 | length 6.4
  Top Layer w0.254: P6_1.1@116.954,233.216 C27_1.2@120.511,233.216 120.511,230.505 C24_1.2@120.637,230.379
NetC24_2_2: C24_2.2 C27_2.2 P6_2.1 | length 6.4
  Top Layer w0.254: P6_2.1@116.967,178.943 C27_2.2@120.524,178.943 120.524,176.232 C24_2.2@120.65,176.106
NetC24_3_2: C24_3.2 C27_3.2 P6_3.1 | length 6.4
  Top Layer w0.254: P6_3.1@116.713,124.968 C27_3.2@120.27,124.968 120.27,122.257 C24_3.2@120.396,122.131
NetC24_4_2: C24_4.2 C27_4.2 P6_4.1 | length 6.4
  Top Layer w0.254: P6_4.1@116.586,70.866 C27_4.2@120.143,70.866 120.143,68.155 C24_4.2@120.269,68.029
NetC25_1_1: C25_1.1 C26_1.1 R15_1.1 R16_1.1 R17_1.2 R18_1.1 R20_1.2 | length 23.8
  Top Layer w0.254: R20_1.2@128.624,223.945 R17_1.2@128.624,227.501 128.751,227.628 129.76,227.628 129.908,227.777 129.908,229.025 130.197,229.314 C25_1.1@132.321,229.314 C26_1.1@135.115,229.314 135.115,228.517 134.642,228.044 R18_1.1@134.642,225.977 134.642,223.853 133.873,223.084 R15_1.1@133.873,221.278 133.873,217.609 R16_1.1@133.859,217.595
NetC25_1_2: C25_1.2 C26_1.2 R21_1.2 R22_1.1 R24_1.2 R25_1.2 R26_1.2 | length 22.2
  Top Layer w0.254: R21_1.2@128.624,235.121 R24_1.2@128.624,231.692 129.527,231.692 129.869,231.35 129.869,230.817 130.172,230.514 C25_1.2@132.321,230.514 C26_1.2@135.115,230.514 135.115,231.311 134.515,231.911 R22_1.1@134.515,233.597 134.515,234.451 133.845,235.121 R26_1.2@133.845,237.802 133.859,237.788 R25_1.2@137.528,237.788
NetC25_2_1: C25_2.1 C26_2.1 R15_2.1 R16_2.1 R17_2.2 R18_2.1 R20_2.2 | length 23.8
  Top Layer w0.254: R20_2.2@128.637,169.672 R17_2.2@128.637,173.228 128.764,173.355 129.772,173.355 129.921,173.504 129.921,174.752 130.21,175.041 C25_2.1@132.334,175.041 C26_2.1@135.128,175.041 135.128,174.244 134.655,173.771 R18_2.1@134.655,171.704 134.655,169.58 133.886,168.811 R15_2.1@133.886,167.005 133.886,163.336 R16_2.1@133.872,163.322
NetC25_2_2: C25_2.2 C26_2.2 R21_2.2 R22_2.1 R24_2.2 R25_2.2 R26_2.2 | length 22.2
  Top Layer w0.254: R21_2.2@128.637,180.848 R24_2.2@128.637,177.419 129.54,177.419 129.882,177.077 129.882,176.543 130.184,176.241 C25_2.2@132.334,176.241 C26_2.2@135.128,176.241 135.128,177.038 134.528,177.638 R22_2.1@134.528,179.324 134.528,180.178 133.858,180.848 R26_2.2@133.858,183.529 133.872,183.515 R25_2.2@137.541,183.515
NetC25_3_1: C25_3.1 C26_3.1 R15_3.1 R16_3.1 R17_3.2 R18_3.1 R20_3.2 | length 23.8
  Top Layer w0.254: R20_3.2@128.383,115.697 R17_3.2@128.383,119.253 128.51,119.38 129.518,119.38 129.667,119.529 129.667,120.777 129.956,121.066 C25_3.1@132.08,121.066 C26_3.1@134.874,121.066 134.874,120.269 134.401,119.796 R18_3.1@134.401,117.729 134.401,115.605 133.632,114.836 R15_3.1@133.632,113.03 133.632,109.361 R16_3.1@133.618,109.347
NetC25_3_2: C25_3.2 C26_3.2 R21_3.2 R22_3.1 R24_3.2 R25_3.2 R26_3.2 | length 22.2
  Top Layer w0.254: R21_3.2@128.383,126.873 R24_3.2@128.383,123.444 129.286,123.444 129.628,123.102 129.628,122.568 129.93,122.266 C25_3.2@132.08,122.266 C26_3.2@134.874,122.266 134.874,123.063 134.274,123.663 R22_3.1@134.274,125.349 134.274,126.203 133.604,126.873 R26_3.2@133.604,129.554 133.618,129.54 R25_3.2@137.287,129.54
NetC25_4_1: C25_4.1 C26_4.1 R15_4.1 R16_4.1 R17_4.2 R18_4.1 R20_4.2 | length 23.8
  Top Layer w0.254: R20_4.2@128.256,61.595 R17_4.2@128.256,65.151 128.383,65.278 129.391,65.278 129.54,65.427 129.54,66.675 129.829,66.964 C25_4.1@131.953,66.964 C26_4.1@134.747,66.964 134.747,66.167 134.274,65.694 R18_4.1@134.274,63.627 134.274,61.503 133.505,60.734 R15_4.1@133.505,58.928 133.505,55.259 R16_4.1@133.491,55.245
NetC25_4_2: C25_4.2 C26_4.2 R21_4.2 R22_4.1 R24_4.2 R25_4.2 R26_4.2 | length 22.2
  Top Layer w0.254: R21_4.2@128.256,72.771 R24_4.2@128.256,69.342 129.159,69.342 129.501,69 129.501,68.466 129.803,68.164 C25_4.2@131.953,68.164 C26_4.2@134.747,68.164 134.747,68.961 134.147,69.561 R22_4.1@134.147,71.247 134.147,72.101 133.477,72.771 R26_4.2@133.477,75.452 133.491,75.438 R25_4.2@137.16,75.438
NetC27_1_1: C27_1.1 R21_1.1 R24_1.1 | length 7.6
  Top Layer w0.254: C27_1.1@123.811,233.216 125.082,233.216 125.463,232.835 125.463,232.073 125.844,231.692 R24_1.1@126.874,231.692 R21_1.1@126.874,235.121
NetC27_2_1: C27_2.1 R21_2.1 R24_2.1 | length 7.6
  Top Layer w0.254: C27_2.1@123.824,178.943 125.095,178.943 125.476,178.562 125.476,177.8 125.857,177.419 R24_2.1@126.887,177.419 R21_2.1@126.887,180.848
NetC27_3_1: C27_3.1 R21_3.1 R24_3.1 | length 7.6
  Top Layer w0.254: C27_3.1@123.57,124.968 124.841,124.968 125.222,124.587 125.222,123.825 125.603,123.444 R24_3.1@126.633,123.444 R21_3.1@126.633,126.873
NetC27_4_1: C27_4.1 R21_4.1 R24_4.1 | length 7.6
  Top Layer w0.254: C27_4.1@123.443,70.866 124.714,70.866 125.095,70.485 125.095,69.723 125.476,69.342 R24_4.1@126.506,69.342 R21_4.1@126.506,72.771
NetC28_1_1: C28_1.1 R23_1.2 U4_1.3 | length 18.1
  Top Layer w0.254: C28_1.1@140.195,237.985 140.178,237.968 140.178,233.615 R23_1.2@140.16,233.597 140.16,228.298 140.576,227.882 145.91,227.882 146.164,227.628 U4_1.3@146.164,225.511
NetC28_2_1: C28_2.1 R23_2.2 U4_2.3 | length 18.1
  Top Layer w0.254: C28_2.1@140.208,183.712 140.19,183.694 140.19,179.341 R23_2.2@140.173,179.324 140.173,174.025 140.589,173.609 145.923,173.609 146.177,173.355 U4_2.3@146.177,171.238
NetC28_3_1: C28_3.1 R23_3.2 U4_3.3 | length 18.1
  Top Layer w0.254: C28_3.1@139.954,129.737 139.936,129.719 139.936,125.366 R23_3.2@139.919,125.349 139.919,120.05 140.335,119.634 145.669,119.634 145.923,119.38 U4_3.3@145.923,117.263
NetC28_4_1: C28_4.1 R23_4.2 U4_4.3 | length 18.1
  Top Layer w0.254: C28_4.1@139.827,75.635 139.809,75.617 139.809,71.264 R23_4.2@139.792,71.247 139.792,65.948 140.208,65.532 145.542,65.532 145.796,65.278 U4_4.3@145.796,63.161
NetC29_1_1: C29_1.1 R31_1.2 U5_1.1 | length 7.1
  Top Layer w0.254: R31_1.2@141.43,200.704 142.735,200.704 143.285,201.254 U5_1.1@144.386,201.254 144.386,199.053 145.021,198.418 C29_1.1@145.818,198.418
NetC29_1_2: C29_1.2 J16_1.1 P8_1.1 R27_1.2 R28_1.2 U5_1.4 | length 39.3
  Top Layer w0.254: C29_1.2@147.018,198.418 147.053,198.383 147.053,197.021 146.672,196.64 R28_1.2@143.751,196.64 143.737,196.626 R27_1.2@143.737,192.957 143.737,191.32 144.513,190.544 149.974,190.544 150.863,191.433 150.863,199.942 149.551,201.254 U5_1.4@148.196,201.254 148.281,201.339 J16_1.1@153.276,201.339 P8_1.1@157.721,201.339
  other v2: 149.52,201.223
NetC29_2_1: C29_2.1 R31_2.2 U5_2.1 | length 7.1
  Top Layer w0.254: R31_2.2@141.443,146.431 142.748,146.431 143.298,146.981 U5_2.1@144.399,146.981 144.399,144.78 145.034,144.145 C29_2.1@145.831,144.145
NetC29_2_2: C29_2.2 J16_2.1 P8_2.1 R27_2.2 R28_2.2 U5_2.4 | length 39.3
  Top Layer w0.254: C29_2.2@147.031,144.145 147.066,144.11 147.066,142.748 146.685,142.367 R28_2.2@143.764,142.367 143.75,142.353 R27_2.2@143.75,138.684 143.75,137.047 144.526,136.271 149.987,136.271 150.876,137.16 150.876,145.669 149.564,146.981 U5_2.4@148.209,146.981 148.294,147.066 J16_2.1@153.289,147.066 P8_2.1@157.734,147.066
  other v1: 149.532,146.949
NetC29_3_1: C29_3.1 R31_3.2 U5_3.1 | length 7.1
  Top Layer w0.254: R31_3.2@141.189,92.456 142.494,92.456 143.044,93.006 U5_3.1@144.145,93.006 144.145,90.805 144.78,90.17 C29_3.1@145.577,90.17
NetC29_3_2: C29_3.2 J16_3.1 P8_3.1 R27_3.2 R28_3.2 U5_3.4 | length 39.3
  Top Layer w0.254: C29_3.2@146.777,90.17 146.812,90.135 146.812,88.773 146.431,88.392 R28_3.2@143.51,88.392 143.496,88.378 R27_3.2@143.496,84.709 143.496,83.072 144.272,82.296 149.733,82.296 150.622,83.185 150.622,91.694 149.31,93.006 U5_3.4@147.955,93.006 148.04,93.091 J16_3.1@153.035,93.091 P8_3.1@157.48,93.091
  other v1: 149.278,92.974
NetC29_4_1: C29_4.1 R31_4.2 U5_4.1 | length 7.1
  Top Layer w0.254: R31_4.2@141.062,38.354 142.367,38.354 142.917,38.904 U5_4.1@144.018,38.904 144.018,36.703 144.653,36.068 C29_4.1@145.45,36.068
NetC29_4_2: C29_4.2 J16_4.1 P8_4.1 R27_4.2 R28_4.2 U5_4.4 | length 39.3
  Top Layer w0.254: C29_4.2@146.65,36.068 146.685,36.033 146.685,34.671 146.304,34.29 R28_4.2@143.383,34.29 143.369,34.276 R27_4.2@143.369,30.607 143.369,28.97 144.145,28.194 149.606,28.194 150.495,29.083 150.495,37.592 149.183,38.904 U5_4.4@147.828,38.904 147.913,38.989 J16_4.1@152.908,38.989 P8_4.1@157.353,38.989
  other v1: 149.151,38.872
NetC30_1_1: C30_1.1 R29_1.1 R32_1.1 | length 7.8
  Top Layer w0.254: C30_1.1@125.208,198.037 126.204,198.037 126.352,197.889 126.352,197.021 126.501,196.873 127.883,196.873 R29_1.1@127.904,196.894 127.89,196.908 R32_1.1@127.89,200.958
NetC30_1_2: C30_1.2 C32_1.1 P7_1.2 | length 9.7
  Top Layer w0.254: P7_1.2@117.843,197.91 121.781,197.91 C30_1.2@121.908,198.037 ; C32_1.1@119.875,202.144 119.875,200.98 120.024,200.831 121.633,200.831 121.781,200.683 C30_1.2@121.781,198.291
NetC30_2_1: C30_2.1 R29_2.1 R32_2.1 | length 7.8
  Top Layer w0.254: C30_2.1@125.221,143.764 126.216,143.764 126.365,143.615 126.365,142.748 126.514,142.599 127.895,142.599 R29_2.1@127.917,142.621 127.903,142.635 R32_2.1@127.903,146.685
NetC30_2_2: C30_2.2 C32_2.1 P7_2.2 | length 9.7
  Top Layer w0.254: P7_2.2@117.856,143.637 121.794,143.637 C30_2.2@121.921,143.764 ; C32_2.1@119.888,147.871 119.888,146.707 120.037,146.558 121.645,146.558 121.794,146.409 C30_2.2@121.794,144.018
NetC30_3_1: C30_3.1 R29_3.1 R32_3.1 | length 7.8
  Top Layer w0.254: C30_3.1@124.967,89.789 125.962,89.789 126.111,89.64 126.111,88.773 126.26,88.624 127.641,88.624 R29_3.1@127.663,88.646 127.649,88.66 R32_3.1@127.649,92.71
NetC30_3_2: C30_3.2 C32_3.1 P7_3.2 | length 9.7
  Top Layer w0.254: P7_3.2@117.602,89.662 121.54,89.662 C30_3.2@121.667,89.789 ; C32_3.1@119.634,93.896 119.634,92.732 119.783,92.583 121.391,92.583 121.54,92.434 C30_3.2@121.54,90.043
NetC30_4_1: C30_4.1 R29_4.1 R32_4.1 | length 7.8
  Top Layer w0.254: C30_4.1@124.84,35.687 125.835,35.687 125.984,35.538 125.984,34.671 126.133,34.522 127.514,34.522 R29_4.1@127.536,34.544 127.522,34.558 R32_4.1@127.522,38.608
NetC30_4_2: C30_4.2 C32_4.1 P7_4.2 | length 9.7
  Top Layer w0.254: P7_4.2@117.475,35.56 121.413,35.56 C30_4.2@121.54,35.687 ; C32_4.1@119.507,39.794 119.507,38.63 119.656,38.481 121.264,38.481 121.413,38.332 C30_4.2@121.413,35.941
NetC32_1_2: C32_1.2 C35_1.2 P10_1.1 | length 10
  Top Layer w0.254: P10_1.1@117.462,208.324 121.654,208.324 C35_1.2@121.781,208.197 121.781,205.806 121.633,205.657 120.024,205.657 119.875,205.509 C32_1.2@119.875,204.344
NetC32_2_2: C32_2.2 C35_2.2 P10_2.1 | length 10
  Top Layer w0.254: P10_2.1@117.475,154.051 121.667,154.051 C35_2.2@121.794,153.924 121.794,151.533 121.645,151.384 120.037,151.384 119.888,151.235 C32_2.2@119.888,150.071
NetC32_3_2: C32_3.2 C35_3.2 P10_3.1 | length 10
  Top Layer w0.254: P10_3.1@117.221,100.076 121.413,100.076 C35_3.2@121.54,99.949 121.54,97.558 121.391,97.409 119.783,97.409 119.634,97.26 C32_3.2@119.634,96.096
NetC32_4_2: C32_4.2 C35_4.2 P10_4.1 | length 10
  Top Layer w0.254: P10_4.1@117.094,45.974 121.286,45.974 C35_4.2@121.413,45.847 121.413,43.456 121.264,43.307 119.656,43.307 119.507,43.158 C32_4.2@119.507,41.994
NetC33_1_1: C33_1.1 C34_1.1 R27_1.1 R28_1.1 R29_1.2 R30_1.1 R32_1.2 | length 31.5
  Top Layer w0.254: R30_1.1@136.385,200.704 136.322,200.768 136.322,203.343 C33_1.1@136.258,203.406 133.556,203.406 C34_1.1@133.464,203.314 133.464,201.847 132.575,200.958 R32_1.2@129.64,200.958 129.654,200.944 R29_1.2@129.654,196.894 141.747,196.894 R28_1.1@142.001,196.64 142.001,192.971 R27_1.1@141.987,192.957
NetC33_1_2: C33_1.2 C34_1.2 R34_1.2 R35_1.1 R37_1.2 R38_1.2 R39_1.2 | length 30.5
  Top Layer w0.254: R35_1.1@136.293,206.8 136.276,206.783 136.276,204.624 C33_1.2@136.258,204.606 133.556,204.606 C34_1.2@133.464,204.514 133.464,204.606 133.464,206.292 132.829,206.927 R37_1.2@129.513,206.927 129.527,206.941 R34_1.2@129.527,210.229 R38_1.2@142.354,210.229 R39_1.2@142.354,213.531
NetC33_2_1: C33_2.1 C34_2.1 R27_2.1 R28_2.1 R29_2.2 R30_2.1 R32_2.2 | length 31.5
  Top Layer w0.254: R30_2.1@136.398,146.431 136.334,146.494 136.334,149.07 C33_2.1@136.271,149.133 133.569,149.133 C34_2.1@133.477,149.041 133.477,147.574 132.588,146.685 R32_2.2@129.653,146.685 129.667,146.671 R29_2.2@129.667,142.621 141.76,142.621 R28_2.1@142.014,142.367 142.014,138.698 R27_2.1@142,138.684
NetC33_2_2: C33_2.2 C34_2.2 R34_2.2 R35_2.1 R37_2.2 R38_2.2 R39_2.2 | length 30.5
  Top Layer w0.254: R35_2.1@136.306,152.527 136.289,152.509 136.289,150.351 C33_2.2@136.271,150.333 133.569,150.333 C34_2.2@133.477,150.241 133.477,152.019 132.842,152.654 R37_2.2@129.526,152.654 129.54,152.668 R34_2.2@129.54,155.956 R38_2.2@142.367,155.956 R39_2.2@142.367,159.258
NetC33_3_1: C33_3.1 C34_3.1 R27_3.1 R28_3.1 R29_3.2 R30_3.1 R32_3.2 | length 31.5
  Top Layer w0.254: R30_3.1@136.144,92.456 136.081,92.519 136.081,95.095 C33_3.1@136.017,95.158 133.315,95.158 C34_3.1@133.223,95.066 133.223,93.599 132.334,92.71 R32_3.2@129.399,92.71 129.413,92.696 R29_3.2@129.413,88.646 141.506,88.646 R28_3.1@141.76,88.392 141.76,84.723 R27_3.1@141.746,84.709
NetC33_3_2: C33_3.2 C34_3.2 R34_3.2 R35_3.1 R37_3.2 R38_3.2 R39_3.2 | length 30.5
  Top Layer w0.254: R35_3.1@136.052,98.552 136.035,98.534 136.035,96.376 C33_3.2@136.017,96.358 133.315,96.358 C34_3.2@133.223,96.266 133.223,98.044 132.588,98.679 R37_3.2@129.272,98.679 129.286,98.693 R34_3.2@129.286,101.981 R38_3.2@142.113,101.981 R39_3.2@142.113,105.283
NetC33_4_1: C33_4.1 C34_4.1 R27_4.1 R28_4.1 R29_4.2 R30_4.1 R32_4.2 | length 31.5
  Top Layer w0.254: R30_4.1@136.017,38.354 135.953,38.417 135.953,40.993 C33_4.1@135.89,41.056 133.188,41.056 C34_4.1@133.096,40.964 133.096,39.497 132.207,38.608 R32_4.2@129.272,38.608 129.286,38.594 R29_4.2@129.286,34.544 141.379,34.544 R28_4.1@141.633,34.29 141.633,30.621 R27_4.1@141.619,30.607
NetC33_4_2: C33_4.2 C34_4.2 R34_4.2 R35_4.1 R37_4.2 R38_4.2 R39_4.2 | length 30.5
  Top Layer w0.254: R35_4.1@135.925,44.45 135.908,44.432 135.908,42.274 C33_4.2@135.89,42.256 133.188,42.256 C34_4.2@133.096,42.164 133.096,43.942 132.461,44.577 R37_4.2@129.145,44.577 129.159,44.591 R34_4.2@129.159,47.879 R38_4.2@141.986,47.879 R39_4.2@141.986,51.181
NetC35_1_1: C35_1.1 R34_1.1 R37_1.1 | length 6.7
  Top Layer w0.254: C35_1.1@125.081,208.197 126.012,208.197 126.422,207.787 126.422,207.443 126.832,207.033 127.658,207.033 R37_1.1@127.763,206.927 127.763,210.215 R34_1.1@127.777,210.229
NetC35_2_1: C35_2.1 R34_2.1 R37_2.1 | length 6.7
  Top Layer w0.254: C35_2.1@125.094,153.924 126.025,153.924 126.435,153.514 126.435,153.169 126.845,152.759 127.671,152.759 R37_2.1@127.776,152.654 127.776,155.942 R34_2.1@127.79,155.956
NetC35_3_1: C35_3.1 R34_3.1 R37_3.1 | length 6.7
  Top Layer w0.254: C35_3.1@124.84,99.949 125.771,99.949 126.181,99.539 126.181,99.194 126.591,98.784 127.417,98.784 R37_3.1@127.522,98.679 127.522,101.967 R34_3.1@127.536,101.981
NetC35_4_1: C35_4.1 R34_4.1 R37_4.1 | length 6.7
  Top Layer w0.254: C35_4.1@124.713,45.847 125.644,45.847 126.054,45.437 126.054,45.092 126.464,44.682 127.29,44.682 R37_4.1@127.395,44.577 127.395,47.865 R34_4.1@127.409,47.879
NetC36_1_1: C36_1.1 R36_1.2 U5_1.8 | length 6.3
  Top Layer w0.254: R36_1.2@141.268,206.8 142.862,206.8 143.158,206.504 U5_1.8@144.386,206.504 144.386,208.07 144.894,208.578 C36_1.1@145.656,208.578